# Allegro board S071AA-0413-20260427.brd (continued)
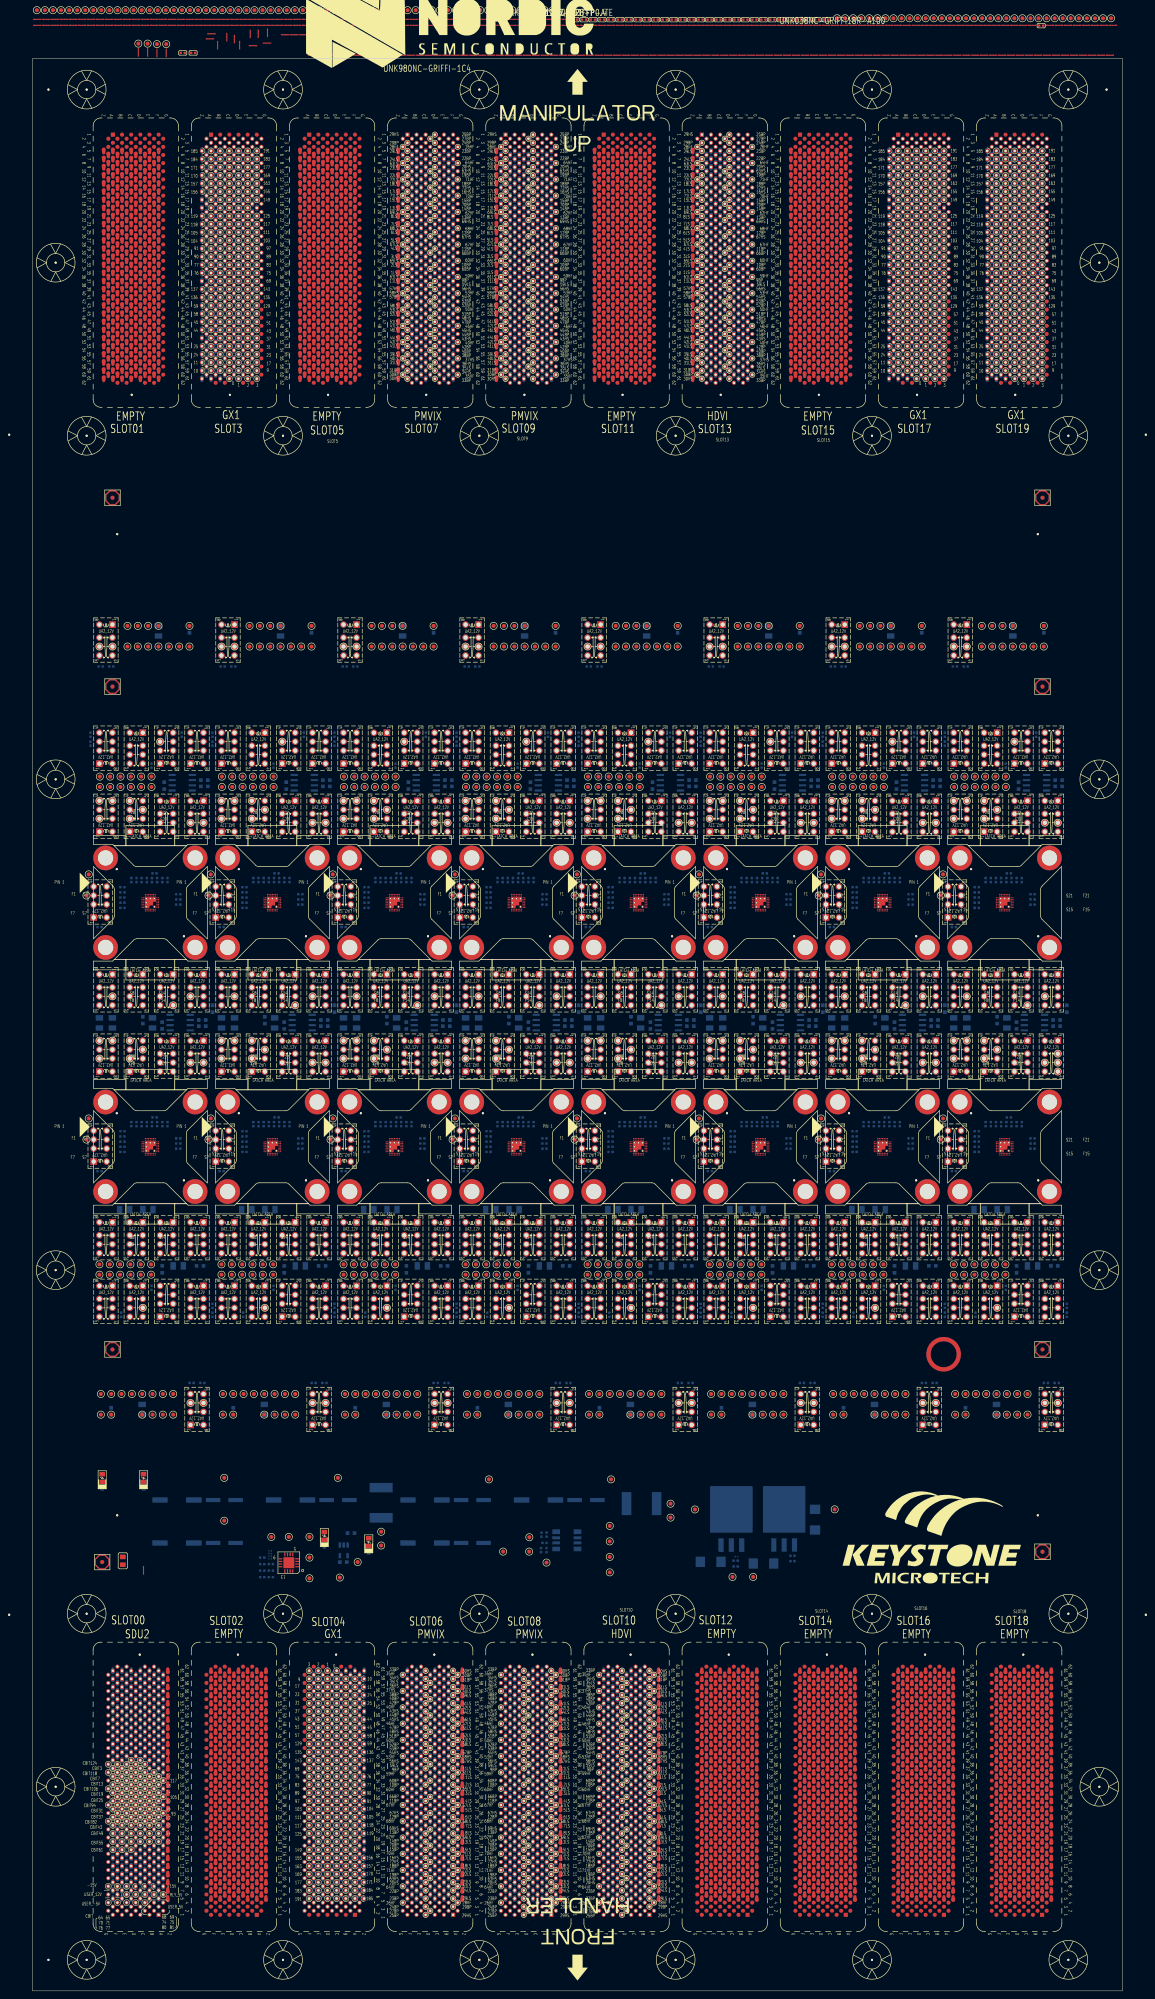
[diagram p0: board, top side]
## Footprints (pads in the part's own frame, mm; a bottom-side part is the same pattern mirrored in y, then rotated) (continued)
  round 1.016 smd: B1(81.085,218.796) B62(79.96,157.796) C1(83.336,218.796) C62(82.21,157.796) D1(85.586,218.796) E1(87.835,218.796) E62(86.711,157.796) F1(90.085,218.796) F62(88.96,157.796) G42(91.21,177.796) G44(91.21,175.796) G46(91.21,173.796) G48(91.21,171.796) G50(91.21,169.796) G52(91.21,167.796) G54(91.21,165.796) G56(91.21,163.796) G58(91.21,161.796) G60(91.21,159.796)
PG_LTXDX_F_X1_GX1_SL19_V2
  round 0.508 hole 3.2 unplated: (107.596,154.842)
  round 0.051 hole 2.489x2.21 unplated: (108.595,220.342)
  rect 1.016x1.016 smd: A1(102.966,218.796)
  round 1.016 hole 0.559: A2(101.841,217.796) A3(102.966,216.796) A4(101.841,215.796) A5(102.966,214.796) A6(101.841,213.796) A7(102.966,212.796) A8(101.841,211.796) A9(102.966,210.796) A10(101.841,209.796) A11(102.966,208.796) A12(101.841,207.796) A13(102.966,206.796) A14(101.841,205.796) A15(102.966,204.796) A16(101.841,203.796) A17(102.966,202.796) A18(101.841,201.796) A19(102.966,200.796) A20(101.841,199.796) A21(102.966,198.796) A22(101.841,197.796) A23(102.966,196.796) A24(101.841,195.796) A25(102.966,194.796) A26(101.841,193.796) A27(102.966,192.796) A28(101.841,191.796) A29(102.966,190.796) A30(101.841,189.796) A31(102.966,188.796) A32(101.841,187.796) A33(102.966,186.796) A34(101.841,185.796) A35(102.966,184.796) A36(101.841,183.796) A37(102.966,182.796) A38(101.841,181.796) A39(102.966,180.796) A40(101.841,179.796) A41(102.966,178.796) A42(101.841,177.796) A43(102.966,176.796) A44(101.841,175.796) A45(102.966,174.796) A46(101.841,173.796) A47(102.966,172.796) A48(101.841,171.796) A49(102.966,170.796) A50(101.841,169.796) A51(102.966,168.796) A52(101.841,167.796) A53(102.966,166.796) A54(101.841,165.796) A55(102.966,164.796) A56(101.841,163.796) A57(102.966,162.796) A58(101.841,161.796) A59(102.966,160.796) A60(101.841,159.796) A61(102.966,158.796) B2(104.09,217.796) B3(105.215,216.796) B4(104.09,215.796) B5(105.215,214.796) B6(104.09,213.796) B7(105.215,212.796) B8(104.09,211.796) B9(105.215,210.796) B10(104.09,209.796) B11(105.215,208.796) B12(104.09,207.796) B13(105.215,206.796) B14(104.09,205.796) B15(105.215,204.796) B16(104.09,203.796) B17(105.215,202.796) B18(104.09,201.796) B19(105.215,200.796) B20(104.09,199.796) B21(105.215,198.796) B22(104.09,197.796) B23(105.215,196.796) B24(104.09,195.796) B25(105.215,194.796) B26(104.09,193.796) B27(105.215,192.796) B28(104.09,191.796) B29(105.215,190.796) B30(104.09,189.796) B31(105.215,188.796) B32(104.09,187.796) B33(105.215,186.796) B34(104.09,185.796) B35(105.215,184.796) B36(104.09,183.796) B37(105.215,182.796) B38(104.09,181.796) B39(105.215,180.796) B40(104.09,179.796) B41(105.215,178.796) B42(104.09,177.796) B43(105.215,176.796) B44(104.09,175.796) B45(105.215,174.796) B46(104.09,173.796) B47(105.215,172.796) B48(104.09,171.796) B49(105.215,170.796) B50(104.09,169.796) B51(105.215,168.796) B52(104.09,167.796) B53(105.215,166.796) B54(104.09,165.796) B55(105.215,164.796) B56(104.09,163.796) B57(105.215,162.796) B58(104.09,161.796) B59(105.215,160.796) B60(104.09,159.796) B61(105.215,158.796) C2(106.34,217.796) C3(107.466,216.796) C4(106.34,215.796) C5(107.466,214.796) C6(106.34,213.796) C7(107.466,212.796) C8(106.34,211.796) C9(107.466,210.796) C10(106.34,209.796) C11(107.466,208.796) C12(106.34,207.796) C13(107.466,206.796) C14(106.34,205.796) C15(107.466,204.796) C16(106.34,203.796) C17(107.466,202.796) C18(106.34,201.796) C19(107.466,200.796) C20(106.34,199.796) C21(107.466,198.796) C22(106.34,197.796) C23(107.466,196.796) C24(106.34,195.796) C25(107.466,194.796) C26(106.34,193.796) C27(107.466,192.796) C28(106.34,191.796) C29(107.466,190.796) C30(106.34,189.796) C31(107.466,188.796) C32(106.34,187.796) C33(107.466,186.796) C34(106.34,185.796) C35(107.466,184.796) C36(106.34,183.796) C37(107.466,182.796) C38(106.34,181.796) C39(107.466,180.796) C40(106.34,179.796) C41(107.466,178.796) C42(106.34,177.796) C43(107.466,176.796) C44(106.34,175.796) C45(107.466,174.796) C46(106.34,173.796) C47(107.466,172.796) C48(106.34,171.796) C49(107.466,170.796) C50(106.34,169.796) C51(107.466,168.796) C52(106.34,167.796) C53(107.466,166.796) C54(106.34,165.796) C55(107.466,164.796) C56(106.34,163.796) C57(107.466,162.796) C58(106.34,161.796) C59(107.466,160.796) C60(106.34,159.796) C61(107.466,158.796) D2(108.591,217.796) D3(109.716,216.796) D4(108.591,215.796) D5(109.716,214.796) D6(108.591,213.796) D7(109.716,212.796) D8(108.591,211.796) D9(109.716,210.796) D10(108.591,209.796) D11(109.716,208.796) D12(108.591,207.796) D13(109.716,206.796) D14(108.591,205.796) D15(109.716,204.796) D16(108.591,203.796) D17(109.716,202.796) D18(108.591,201.796) D19(109.716,200.796) D20(108.591,199.796) D21(109.716,198.796) D22(108.591,197.796) D23(109.716,196.796) D24(108.591,195.796) D25(109.716,194.796) D26(108.591,193.796) D27(109.716,192.796) D28(108.591,191.796) D29(109.716,190.796) D30(108.591,189.796) D31(109.716,188.796) D32(108.591,187.796) D33(109.716,186.796) D34(108.591,185.796) D35(109.716,184.796) D36(108.591,183.796) D37(109.716,182.796) D38(108.591,181.796) D39(109.716,180.796) D40(108.591,179.796) D41(109.716,178.796) D42(108.591,177.796) D43(109.716,176.796) D44(108.591,175.796) D45(109.716,174.796) D46(108.591,173.796) D47(109.716,172.796) D48(108.591,171.796) D49(109.716,170.796) D50(108.591,169.796) D51(109.716,168.796) D52(108.591,167.796) D53(109.716,166.796) D54(108.591,165.796) D55(109.716,164.796) D56(108.591,163.796) D57(109.716,162.796) D58(108.591,161.796) D59(109.716,160.796) D60(108.591,159.796) D61(109.716,158.796) E2(110.841,217.796) E3(111.965,216.796) E4(110.841,215.796) E5(111.965,214.796) E6(110.841,213.796) E7(111.965,212.796) E8(110.841,211.796) E9(111.965,210.796) E10(110.841,209.796) E11(111.965,208.796) E12(110.841,207.796) E13(111.965,206.796) E14(110.841,205.796) E15(111.965,204.796) E16(110.841,203.796) E17(111.965,202.796) E18(110.841,201.796) E19(111.965,200.796) E20(110.841,199.796) E21(111.965,198.796) E22(110.841,197.796) E23(111.965,196.796) E24(110.841,195.796) E25(111.965,194.796) E26(110.841,193.796) E27(111.965,192.796) E28(110.841,191.796) E29(111.965,190.796) E30(110.841,189.796) E31(111.965,188.796) E32(110.841,187.796) E33(111.965,186.796) E34(110.841,185.796) E35(111.965,184.796) E36(110.841,183.796) E37(111.965,182.796) E38(110.841,181.796) E39(111.965,180.796) E40(110.841,179.796) E41(111.965,178.796) E42(110.841,177.796) E43(111.965,176.796) E44(110.841,175.796) E45(111.965,174.796) E46(110.841,173.796) E47(111.965,172.796) E48(110.841,171.796) E49(111.965,170.796) E50(110.841,169.796) E51(111.965,168.796) E52(110.841,167.796) E53(111.965,166.796) E54(110.841,165.796) E55(111.965,164.796) E56(110.841,163.796) E57(111.965,162.796) E58(110.841,161.796) E59(111.965,160.796) E60(110.841,159.796) E61(111.965,158.796) F2(113.09,217.796) F3(114.215,216.796) F4(113.09,215.796) F5(114.215,214.796) F6(113.09,213.796) F7(114.215,212.796) F8(113.09,211.796) F9(114.215,210.796) F10(113.09,209.796) F11(114.215,208.796) F12(113.09,207.796) F13(114.215,206.796) F14(113.09,205.796) F15(114.215,204.796) F16(113.09,203.796) F17(114.215,202.796) F18(113.09,201.796) F19(114.215,200.796) F20(113.09,199.796) F21(114.215,198.796) F22(113.09,197.796) F23(114.215,196.796) F24(113.09,195.796) F25(114.215,194.796) F26(113.09,193.796) F27(114.215,192.796) F28(113.09,191.796) F29(114.215,190.796) F30(113.09,189.796) F31(114.215,188.796) F32(113.09,187.796) F33(114.215,186.796) F34(113.09,185.796) F35(114.215,184.796) F36(113.09,183.796) F37(114.215,182.796) F38(113.09,181.796) F39(114.215,180.796) F40(113.09,179.796) F41(114.215,178.796) F42(113.09,177.796) F43(114.215,176.796) F44(113.09,175.796) F45(114.215,174.796) F46(113.09,173.796) F47(114.215,172.796) F48(113.09,171.796) F49(114.215,170.796) F50(113.09,169.796) F51(114.215,168.796) F52(113.09,167.796) F53(114.215,166.796) F54(113.09,165.796) F55(114.215,164.796) F56(113.09,163.796) F57(114.215,162.796) F58(113.09,161.796) F59(114.215,160.796) F60(113.09,159.796) F61(114.215,158.796) G2(115.34,217.796) G4(115.34,215.796) G6(115.34,213.796) G8(115.34,211.796) G10(115.34,209.796) G12(115.34,207.796) G14(115.34,205.796) G16(115.34,203.796) G18(115.34,201.796) G20(115.34,199.796) G22(115.34,197.796) G24(115.34,195.796) G26(115.34,193.796) G28(115.34,191.796) G30(115.34,189.796) G32(115.34,187.796) G34(115.34,185.796) G36(115.34,183.796) G38(115.34,181.796) G40(115.34,179.796) Z5(100.716,214.796) Z7(100.716,212.796) Z9(100.716,210.796) Z11(100.716,208.796) Z13(100.716,206.796) Z15(100.716,204.796) Z17(100.716,202.796) Z19(100.716,200.796) Z21(100.716,198.796) Z23(100.716,196.796) Z25(100.716,194.796) Z27(100.716,192.796) Z29(100.716,190.796) Z31(100.716,188.796) Z33(100.716,186.796) Z35(100.716,184.796) Z37(100.716,182.796) Z39(100.716,180.796) Z41(100.716,178.796) Z43(100.716,176.796) Z45(100.716,174.796) Z47(100.716,172.796) Z49(100.716,170.796) Z51(100.716,168.796) Z53(100.716,166.796) Z55(100.716,164.796) Z57(100.716,162.796) Z59(100.716,160.796) Z61(100.716,158.796)
  round 1.016 smd: B1(105.215,218.796) B62(104.09,157.796) C1(107.466,218.796) C62(106.34,157.796) D1(109.716,218.796) E1(111.965,218.796) E62(110.841,157.796) F1(114.215,218.796) F62(113.09,157.796) G42(115.34,177.796) G44(115.34,175.796) G46(115.34,173.796) G48(115.34,171.796) G50(115.34,169.796) G52(115.34,167.796) G54(115.34,165.796) G56(115.34,163.796) G58(115.34,161.796) G60(115.34,159.796)
PG_LTXDX_F_X1_GX1X_SL03_V2
  round 0.508 hole 3.2 unplated: (-85.444,154.842)
  round 0.051 hole 2.489x2.21 unplated: (-84.445,220.342)
  rect 1.016x1.016 smd: A1(-90.074,218.796)
  round 1.016 hole 0.559: A2(-91.199,217.796) A3(-90.074,216.796) A4(-91.199,215.796) A5(-90.074,214.796) A6(-91.199,213.796) A7(-90.074,212.796) A8(-91.199,211.796) A9(-90.074,210.796) A10(-91.199,209.796) A11(-90.074,208.796) A12(-91.199,207.796) A13(-90.074,206.796) A14(-91.199,205.796) A15(-90.074,204.796) A16(-91.199,203.796) A17(-90.074,202.796) A18(-91.199,201.796) A19(-90.074,200.796) A20(-91.199,199.796) A21(-90.074,198.796) A22(-91.199,197.796) A23(-90.074,196.796) A24(-91.199,195.796) A25(-90.074,194.796) A26(-91.199,193.796) A27(-90.074,192.796) A28(-91.199,191.796) A29(-90.074,190.796) A30(-91.199,189.796) A31(-90.074,188.796) A32(-91.199,187.796) A33(-90.074,186.796) A34(-91.199,185.796) A35(-90.074,184.796) A36(-91.199,183.796) A37(-90.074,182.796) A38(-91.199,181.796) A39(-90.074,180.796) A40(-91.199,179.796) A41(-90.074,178.796) A42(-91.199,177.796) A43(-90.074,176.796) A44(-91.199,175.796) A45(-90.074,174.796) A46(-91.199,173.796) A47(-90.074,172.796) A48(-91.199,171.796) A49(-90.074,170.796) A50(-91.199,169.796) A51(-90.074,168.796) A52(-91.199,167.796) A53(-90.074,166.796) A54(-91.199,165.796) A55(-90.074,164.796) A56(-91.199,163.796) A57(-90.074,162.796) A58(-91.199,161.796) A59(-90.074,160.796) A60(-91.199,159.796) A61(-90.074,158.796) B2(-88.95,217.796) B3(-87.825,216.796) B4(-88.95,215.796) B5(-87.825,214.796) B6(-88.95,213.796) B7(-87.825,212.796) B8(-88.95,211.796) B9(-87.825,210.796) B10(-88.95,209.796) B11(-87.825,208.796) B12(-88.95,207.796) B13(-87.825,206.796) B14(-88.95,205.796) B15(-87.825,204.796) B16(-88.95,203.796) B17(-87.825,202.796) B18(-88.95,201.796) B19(-87.825,200.796) B20(-88.95,199.796) B21(-87.825,198.796) B22(-88.95,197.796) B23(-87.825,196.796) B24(-88.95,195.796) B25(-87.825,194.796) B26(-88.95,193.796) B27(-87.825,192.796) B28(-88.95,191.796) B29(-87.825,190.796) B30(-88.95,189.796) B31(-87.825,188.796) B32(-88.95,187.796) B33(-87.825,186.796) B34(-88.95,185.796) B35(-87.825,184.796) B36(-88.95,183.796) B37(-87.825,182.796) B38(-88.95,181.796) B39(-87.825,180.796) B40(-88.95,179.796) B41(-87.825,178.796) B42(-88.95,177.796) B43(-87.825,176.796) B44(-88.95,175.796) B45(-87.825,174.796) B46(-88.95,173.796) B47(-87.825,172.796) B48(-88.95,171.796) B49(-87.825,170.796) B50(-88.95,169.796) B51(-87.825,168.796) B52(-88.95,167.796) B53(-87.825,166.796) B54(-88.95,165.796) B55(-87.825,164.796) B56(-88.95,163.796) B57(-87.825,162.796) B58(-88.95,161.796) B59(-87.825,160.796) B60(-88.95,159.796) B61(-87.825,158.796) C2(-86.7,217.796) C3(-85.574,216.796) C4(-86.7,215.796) C5(-85.574,214.796) C6(-86.7,213.796) C7(-85.574,212.796) C8(-86.7,211.796) C9(-85.574,210.796) C10(-86.7,209.796) C11(-85.574,208.796) C12(-86.7,207.796) C13(-85.574,206.796) C14(-86.7,205.796) C15(-85.574,204.796) C16(-86.7,203.796) C17(-85.574,202.796) C18(-86.7,201.796) C19(-85.574,200.796) C20(-86.7,199.796) C21(-85.574,198.796) C22(-86.7,197.796) C23(-85.574,196.796) C24(-86.7,195.796) C25(-85.574,194.796) C26(-86.7,193.796) C27(-85.574,192.796) C28(-86.7,191.796) C29(-85.574,190.796) C30(-86.7,189.796) C31(-85.574,188.796) C32(-86.7,187.796) C33(-85.574,186.796) C34(-86.7,185.796) C35(-85.574,184.796) C36(-86.7,183.796) C37(-85.574,182.796) C38(-86.7,181.796) C39(-85.574,180.796) C40(-86.7,179.796) C41(-85.574,178.796) C42(-86.7,177.796) C43(-85.574,176.796) C44(-86.7,175.796) C45(-85.574,174.796) C46(-86.7,173.796) C47(-85.574,172.796) C48(-86.7,171.796) C49(-85.574,170.796) C50(-86.7,169.796) C51(-85.574,168.796) C52(-86.7,167.796) C53(-85.574,166.796) C54(-86.7,165.796) C55(-85.574,164.796) C56(-86.7,163.796) C57(-85.574,162.796) C58(-86.7,161.796) C59(-85.574,160.796) C60(-86.7,159.796) C61(-85.574,158.796) D2(-84.449,217.796) D3(-83.324,216.796) D4(-84.449,215.796) D5(-83.324,214.796) D6(-84.449,213.796) D7(-83.324,212.796) D8(-84.449,211.796) D9(-83.324,210.796) D10(-84.449,209.796) D11(-83.324,208.796) D12(-84.449,207.796) D13(-83.324,206.796) D14(-84.449,205.796) D15(-83.324,204.796) D16(-84.449,203.796) D17(-83.324,202.796) D18(-84.449,201.796) D19(-83.324,200.796) D20(-84.449,199.796) D21(-83.324,198.796) D22(-84.449,197.796) D23(-83.324,196.796) D24(-84.449,195.796) D25(-83.324,194.796) D26(-84.449,193.796) D27(-83.324,192.796) D28(-84.449,191.796) D29(-83.324,190.796) D30(-84.449,189.796) D31(-83.324,188.796) D32(-84.449,187.796) D33(-83.324,186.796) D34(-84.449,185.796) D35(-83.324,184.796) D36(-84.449,183.796) D37(-83.324,182.796) D38(-84.449,181.796) D39(-83.324,180.796) D40(-84.449,179.796) D41(-83.324,178.796) D42(-84.449,177.796) D43(-83.324,176.796) D44(-84.449,175.796) D45(-83.324,174.796) D46(-84.449,173.796) D47(-83.324,172.796) D48(-84.449,171.796) D49(-83.324,170.796) D50(-84.449,169.796) D51(-83.324,168.796) D52(-84.449,167.796) D53(-83.324,166.796) D54(-84.449,165.796) D55(-83.324,164.796) D56(-84.449,163.796) D57(-83.324,162.796) D58(-84.449,161.796) D59(-83.324,160.796) D60(-84.449,159.796) D61(-83.324,158.796) E2(-82.199,217.796) E3(-81.075,216.796) E4(-82.199,215.796) E5(-81.075,214.796) E6(-82.199,213.796) E7(-81.075,212.796) E8(-82.199,211.796) E9(-81.075,210.796) E10(-82.199,209.796) E11(-81.075,208.796) E12(-82.199,207.796) E13(-81.075,206.796) E14(-82.199,205.796) E15(-81.075,204.796) E16(-82.199,203.796) E17(-81.075,202.796) E18(-82.199,201.796) E19(-81.075,200.796) E20(-82.199,199.796) E21(-81.075,198.796) E22(-82.199,197.796) E23(-81.075,196.796) E24(-82.199,195.796) E25(-81.075,194.796) E26(-82.199,193.796) E27(-81.075,192.796) E28(-82.199,191.796) E29(-81.075,190.796) E30(-82.199,189.796) E31(-81.075,188.796) E32(-82.199,187.796) E33(-81.075,186.796) E34(-82.199,185.796) E35(-81.075,184.796) E36(-82.199,183.796) E37(-81.075,182.796) E38(-82.199,181.796) E39(-81.075,180.796) E40(-82.199,179.796) E41(-81.075,178.796) E42(-82.199,177.796) E43(-81.075,176.796) E44(-82.199,175.796) E45(-81.075,174.796) E46(-82.199,173.796) E47(-81.075,172.796) E48(-82.199,171.796) E49(-81.075,170.796) E50(-82.199,169.796) E51(-81.075,168.796) E52(-82.199,167.796) E53(-81.075,166.796) E54(-82.199,165.796) E55(-81.075,164.796) E56(-82.199,163.796) E57(-81.075,162.796) E58(-82.199,161.796) E59(-81.075,160.796) E60(-82.199,159.796) E61(-81.075,158.796) F2(-79.95,217.796) F3(-78.825,216.796) F4(-79.95,215.796) F5(-78.825,214.796) F6(-79.95,213.796) F7(-78.825,212.796) F8(-79.95,211.796) F9(-78.825,210.796) F10(-79.95,209.796) F11(-78.825,208.796) F12(-79.95,207.796) F13(-78.825,206.796) F14(-79.95,205.796) F15(-78.825,204.796) F16(-79.95,203.796) F17(-78.825,202.796) F18(-79.95,201.796) F19(-78.825,200.796) F20(-79.95,199.796) F21(-78.825,198.796) F22(-79.95,197.796) F23(-78.825,196.796) F24(-79.95,195.796) F25(-78.825,194.796) F26(-79.95,193.796) F27(-78.825,192.796) F28(-79.95,191.796) F29(-78.825,190.796) F30(-79.95,189.796) F31(-78.825,188.796) F32(-79.95,187.796) F33(-78.825,186.796) F34(-79.95,185.796) F35(-78.825,184.796) F36(-79.95,183.796) F37(-78.825,182.796) F38(-79.95,181.796) F39(-78.825,180.796) F40(-79.95,179.796) F41(-78.825,178.796) F42(-79.95,177.796) F43(-78.825,176.796) F44(-79.95,175.796) F45(-78.825,174.796) F46(-79.95,173.796) F47(-78.825,172.796) F48(-79.95,171.796) F49(-78.825,170.796) F50(-79.95,169.796) F51(-78.825,168.796) F52(-79.95,167.796) F53(-78.825,166.796) F54(-79.95,165.796) F55(-78.825,164.796) F56(-79.95,163.796) F57(-78.825,162.796) F58(-79.95,161.796) F59(-78.825,160.796) F60(-79.95,159.796) F61(-78.825,158.796) G2(-77.7,217.796) G4(-77.7,215.796) G6(-77.7,213.796) G8(-77.7,211.796) G10(-77.7,209.796) G12(-77.7,207.796) G14(-77.7,205.796) G16(-77.7,203.796) G18(-77.7,201.796) G20(-77.7,199.796) G22(-77.7,197.796) G24(-77.7,195.796) G26(-77.7,193.796) G28(-77.7,191.796) G30(-77.7,189.796) G32(-77.7,187.796) G34(-77.7,185.796) G36(-77.7,183.796) G38(-77.7,181.796) G40(-77.7,179.796) Z5(-92.324,214.796) Z7(-92.324,212.796) Z9(-92.324,210.796) Z11(-92.324,208.796) Z13(-92.324,206.796) Z15(-92.324,204.796) Z17(-92.324,202.796) Z19(-92.324,200.796) Z21(-92.324,198.796) Z23(-92.324,196.796) Z25(-92.324,194.796) Z27(-92.324,192.796) Z29(-92.324,190.796) Z31(-92.324,188.796) Z33(-92.324,186.796) Z35(-92.324,184.796) Z37(-92.324,182.796) Z39(-92.324,180.796) Z41(-92.324,178.796) Z43(-92.324,176.796) Z45(-92.324,174.796) Z47(-92.324,172.796) Z49(-92.324,170.796) Z51(-92.324,168.796) Z53(-92.324,166.796) Z55(-92.324,164.796) Z57(-92.324,162.796) Z59(-92.324,160.796) Z61(-92.324,158.796)
  round 1.016 smd: B1(-87.825,218.796) B62(-88.95,157.796) C1(-85.574,218.796) C62(-86.7,157.796) D1(-83.324,218.796) E1(-81.075,218.796) E62(-82.199,157.796) F1(-78.825,218.796) F62(-79.95,157.796) G42(-77.7,177.796) G44(-77.7,175.796) G46(-77.7,173.796) G48(-77.7,171.796) G50(-77.7,169.796) G52(-77.7,167.796) G54(-77.7,165.796) G56(-77.7,163.796) G58(-77.7,161.796) G60(-77.7,159.796)
PG_LTXDX_F_X1_GX1X_SL04
  round 0.051 hole 2.489x2.21 unplated: (-60.335,-220.342)
  round 0.508 hole 3.2 unplated: (-59.335,-154.842)
  rect 1.016x1.016 smd: A1(-54.706,-218.796)
  round 1.016 hole 0.559: A2(-53.58,-217.796) A3(-54.706,-216.796) A4(-53.58,-215.796) A5(-54.706,-214.796) A6(-53.58,-213.796) A7(-54.706,-212.796) A8(-53.58,-211.796) A9(-54.706,-210.796) A10(-53.58,-209.796) A11(-54.706,-208.796) A12(-53.58,-207.796) A13(-54.706,-206.796) A14(-53.58,-205.796) A15(-54.706,-204.796) A16(-53.58,-203.796) A17(-54.706,-202.796) A18(-53.58,-201.796) A19(-54.706,-200.796) A20(-53.58,-199.796) A21(-54.706,-198.796) A22(-53.58,-197.796) A23(-54.706,-196.796) A24(-53.58,-195.796) A25(-54.706,-194.796) A26(-53.58,-193.796) A27(-54.706,-192.796) A28(-53.58,-191.796) A29(-54.706,-190.796) A30(-53.58,-189.796) A31(-54.706,-188.796) A32(-53.58,-187.796) A33(-54.706,-186.796) A34(-53.58,-185.796) A35(-54.706,-184.796) A36(-53.58,-183.796) A37(-54.706,-182.796) A38(-53.58,-181.796) A39(-54.706,-180.796) A40(-53.58,-179.796) A41(-54.706,-178.796) A42(-53.58,-177.796) A43(-54.706,-176.796) A44(-53.58,-175.796) A45(-54.706,-174.796) A46(-53.58,-173.796) A47(-54.706,-172.796) A48(-53.58,-171.796) A49(-54.706,-170.796) A50(-53.58,-169.796) A51(-54.706,-168.796) A52(-53.58,-167.796) A53(-54.706,-166.796) A54(-53.58,-165.796) A55(-54.706,-164.796) A56(-53.58,-163.796) A57(-54.706,-162.796) A58(-53.58,-161.796) A59(-54.706,-160.796) A60(-53.58,-159.796) A61(-54.706,-158.796) B2(-55.829,-217.796) B3(-56.954,-216.796) B4(-55.829,-215.796) B5(-56.954,-214.796) B6(-55.829,-213.796) B7(-56.954,-212.796) B8(-55.829,-211.796) B9(-56.954,-210.796) B10(-55.829,-209.796) B11(-56.954,-208.796) B12(-55.829,-207.796) B13(-56.954,-206.796) B14(-55.829,-205.796) B15(-56.954,-204.796) B16(-55.829,-203.796) B17(-56.954,-202.796) B18(-55.829,-201.796) B19(-56.954,-200.796) B20(-55.829,-199.796) B21(-56.954,-198.796) B22(-55.829,-197.796) B23(-56.954,-196.796) B24(-55.829,-195.796) B25(-56.954,-194.796) B26(-55.829,-193.796) B27(-56.954,-192.796) B28(-55.829,-191.796) B29(-56.954,-190.796) B30(-55.829,-189.796) B31(-56.954,-188.796) B32(-55.829,-187.796) B33(-56.954,-186.796) B34(-55.829,-185.796) B35(-56.954,-184.796) B36(-55.829,-183.796) B37(-56.954,-182.796) B38(-55.829,-181.796) B39(-56.954,-180.796) B40(-55.829,-179.796) B41(-56.954,-178.796) B42(-55.829,-177.796) B43(-56.954,-176.796) B44(-55.829,-175.796) B45(-56.954,-174.796) B46(-55.829,-173.796) B47(-56.954,-172.796) B48(-55.829,-171.796) B49(-56.954,-170.796) B50(-55.829,-169.796) B51(-56.954,-168.796) B52(-55.829,-167.796) B53(-56.954,-166.796) B54(-55.829,-165.796) B55(-56.954,-164.796) B56(-55.829,-163.796) B57(-56.954,-162.796) B58(-55.829,-161.796) B59(-56.954,-160.796) B60(-55.829,-159.796) B61(-56.954,-158.796) C2(-58.079,-217.796) C3(-59.205,-216.796) C4(-58.079,-215.796) C5(-59.205,-214.796) C6(-58.079,-213.796) C7(-59.205,-212.796) C8(-58.079,-211.796) C9(-59.205,-210.796) C10(-58.079,-209.796) C11(-59.205,-208.796) C12(-58.079,-207.796) C13(-59.205,-206.796) C14(-58.079,-205.796) C15(-59.205,-204.796) C16(-58.079,-203.796) C17(-59.205,-202.796) C18(-58.079,-201.796) C19(-59.205,-200.796) C20(-58.079,-199.796) C21(-59.205,-198.796) C22(-58.079,-197.796) C23(-59.205,-196.796) C24(-58.079,-195.796) C25(-59.205,-194.796) C26(-58.079,-193.796) C27(-59.205,-192.796) C28(-58.079,-191.796) C29(-59.205,-190.796) C30(-58.079,-189.796) C31(-59.205,-188.796) C32(-58.079,-187.796) C33(-59.205,-186.796) C34(-58.079,-185.796) C35(-59.205,-184.796) C36(-58.079,-183.796) C37(-59.205,-182.796) C38(-58.079,-181.796) C39(-59.205,-180.796) C40(-58.079,-179.796) C41(-59.205,-178.796) C42(-58.079,-177.796) C43(-59.205,-176.796) C44(-58.079,-175.796) C45(-59.205,-174.796) C46(-58.079,-173.796) C47(-59.205,-172.796) C48(-58.079,-171.796) C49(-59.205,-170.796) C50(-58.079,-169.796) C51(-59.205,-168.796) C52(-58.079,-167.796) C53(-59.205,-166.796) C54(-58.079,-165.796) C55(-59.205,-164.796) C56(-58.079,-163.796) C57(-59.205,-162.796) C58(-58.079,-161.796) C59(-59.205,-160.796) C60(-58.079,-159.796) C61(-59.205,-158.796) D2(-60.33,-217.796) D3(-61.455,-216.796) D4(-60.33,-215.796) D5(-61.455,-214.796) D6(-60.33,-213.796) D7(-61.455,-212.796) D8(-60.33,-211.796) D9(-61.455,-210.796) D10(-60.33,-209.796) D11(-61.455,-208.796) D12(-60.33,-207.796) D13(-61.455,-206.796) D14(-60.33,-205.796) D15(-61.455,-204.796) D16(-60.33,-203.796) D17(-61.455,-202.796) D18(-60.33,-201.796) D19(-61.455,-200.796) D20(-60.33,-199.796) D21(-61.455,-198.796) D22(-60.33,-197.796) D23(-61.455,-196.796) D24(-60.33,-195.796) D25(-61.455,-194.796) D26(-60.33,-193.796) D27(-61.455,-192.796) D28(-60.33,-191.796) D29(-61.455,-190.796) D30(-60.33,-189.796) D31(-61.455,-188.796) D32(-60.33,-187.796) D33(-61.455,-186.796) D34(-60.33,-185.796) D35(-61.455,-184.796) D36(-60.33,-183.796) D37(-61.455,-182.796) D38(-60.33,-181.796) D39(-61.455,-180.796) D40(-60.33,-179.796) D41(-61.455,-178.796) D42(-60.33,-177.796) D43(-61.455,-176.796) D44(-60.33,-175.796) D45(-61.455,-174.796) D46(-60.33,-173.796) D47(-61.455,-172.796) D48(-60.33,-171.796) D49(-61.455,-170.796) D50(-60.33,-169.796) D51(-61.455,-168.796) D52(-60.33,-167.796) D53(-61.455,-166.796) D54(-60.33,-165.796) D55(-61.455,-164.796) D56(-60.33,-163.796) D57(-61.455,-162.796) D58(-60.33,-161.796) D59(-61.455,-160.796) D60(-60.33,-159.796) D61(-61.455,-158.796) E2(-62.58,-217.796) E3(-63.705,-216.796) E4(-62.58,-215.796) E5(-63.704,-214.796) E6(-62.58,-213.796) E7(-63.704,-212.796) E8(-62.58,-211.796) E9(-63.704,-210.796) E10(-62.58,-209.796) E11(-63.704,-208.796) E12(-62.58,-207.796) E13(-63.704,-206.796) E14(-62.58,-205.796) E15(-63.704,-204.796) E16(-62.58,-203.796) E17(-63.704,-202.796) E18(-62.58,-201.796) E19(-63.704,-200.796) E20(-62.58,-199.796) E21(-63.704,-198.796) E22(-62.58,-197.796) E23(-63.704,-196.796) E24(-62.58,-195.796) E25(-63.704,-194.796) E26(-62.58,-193.796) E27(-63.704,-192.796) E28(-62.58,-191.796) E29(-63.704,-190.796) E30(-62.58,-189.796) E31(-63.704,-188.796) E32(-62.58,-187.796) E33(-63.704,-186.796) E34(-62.58,-185.796) E35(-63.704,-184.796) E36(-62.58,-183.796) E37(-63.704,-182.796) E38(-62.58,-181.796) E39(-63.704,-180.796) E40(-62.58,-179.796) E41(-63.704,-178.796) E42(-62.58,-177.796) E43(-63.704,-176.796) E44(-62.58,-175.796) E45(-63.704,-174.796) E46(-62.58,-173.796) E47(-63.704,-172.796) E48(-62.58,-171.796) E49(-63.704,-170.796) E50(-62.58,-169.796) E51(-63.704,-168.796) E52(-62.58,-167.796) E53(-63.704,-166.796) E54(-62.58,-165.796) E55(-63.704,-164.796) E56(-62.58,-163.796) E57(-63.704,-162.796) E58(-62.58,-161.796) E59(-63.704,-160.796) E60(-62.58,-159.796) E61(-63.704,-158.796) F2(-64.829,-217.796) F3(-65.954,-216.796) F4(-64.829,-215.796) F5(-65.955,-214.796) F6(-64.829,-213.796) F7(-65.955,-212.796) F8(-64.829,-211.796) F9(-65.955,-210.796) F10(-64.829,-209.796) F11(-65.955,-208.796) F12(-64.829,-207.796) F13(-65.955,-206.796) F14(-64.829,-205.796) F15(-65.955,-204.796) F16(-64.829,-203.796) F17(-65.955,-202.796) F18(-64.829,-201.796) F19(-65.955,-200.796) F20(-64.829,-199.796) F21(-65.955,-198.796) F22(-64.829,-197.796) F23(-65.955,-196.796) F24(-64.829,-195.796) F25(-65.955,-194.796) F26(-64.829,-193.796) F27(-65.955,-192.796) F28(-64.829,-191.796) F29(-65.955,-190.796) F30(-64.829,-189.796) F31(-65.955,-188.796) F32(-64.829,-187.796) F33(-65.955,-186.796) F34(-64.829,-185.796) F35(-65.955,-184.796) F36(-64.829,-183.796) F37(-65.955,-182.796) F38(-64.829,-181.796) F39(-65.955,-180.796) F40(-64.829,-179.796) F41(-65.955,-178.796) F42(-64.829,-177.796) F43(-65.955,-176.796) F44(-64.829,-175.796) F45(-65.955,-174.796) F46(-64.829,-173.796) F47(-65.955,-172.796) F48(-64.829,-171.796) F49(-65.955,-170.796) F50(-64.829,-169.796) F51(-65.955,-168.796) F52(-64.829,-167.796) F53(-65.955,-166.796) F54(-64.829,-165.796) F55(-65.955,-164.796) F56(-64.829,-163.796) F57(-65.955,-162.796) F58(-64.829,-161.796) F59(-65.955,-160.796) F60(-64.829,-159.796) F61(-65.955,-158.796) G2(-67.08,-217.796) G4(-67.08,-215.796) G6(-67.08,-213.796) G8(-67.08,-211.796) G10(-67.08,-209.796) G12(-67.08,-207.796) G14(-67.08,-205.796) G16(-67.08,-203.796) G18(-67.08,-201.796) G20(-67.08,-199.796) G22(-67.08,-197.796) G24(-67.08,-195.796) G26(-67.08,-193.796) G28(-67.08,-191.796) G30(-67.08,-189.796) G32(-67.08,-187.796) G34(-67.08,-185.796) G36(-67.08,-183.796) G38(-67.08,-181.796) G40(-67.08,-179.796) Z5(-52.456,-214.796) Z7(-52.456,-212.796) Z9(-52.456,-210.796) Z11(-52.456,-208.796) Z13(-52.456,-206.796) Z15(-52.456,-204.796) Z17(-52.456,-202.796) Z19(-52.456,-200.796) Z21(-52.456,-198.796) Z23(-52.456,-196.796) Z25(-52.456,-194.796) Z27(-52.456,-192.796) Z29(-52.456,-190.796) Z31(-52.456,-188.796) Z33(-52.456,-186.796) Z35(-52.456,-184.796) Z37(-52.456,-182.796) Z39(-52.456,-180.796) Z41(-52.456,-178.796) Z43(-52.456,-176.796) Z45(-52.456,-174.796) Z47(-52.456,-172.796) Z49(-52.456,-170.796) Z51(-52.456,-168.796) Z53(-52.456,-166.796) Z55(-52.456,-164.796) Z57(-52.456,-162.796) Z59(-52.456,-160.796) Z61(-52.456,-158.796)
  round 1.016 smd: B1(-56.954,-218.796) B62(-55.829,-157.796) C1(-59.206,-218.796) C62(-58.079,-157.796) D1(-61.456,-218.796) E1(-63.705,-218.796) E62(-62.58,-157.796) F1(-65.954,-218.796) F62(-64.829,-157.796) G42(-67.08,-177.796) G44(-67.08,-175.796) G46(-67.08,-173.796) G48(-67.08,-171.796) G50(-67.08,-169.796) G52(-67.08,-167.796) G54(-67.08,-165.796) G56(-67.08,-163.796) G58(-67.08,-161.796) G60(-67.08,-159.796)
